# Allegro board SG2042_EVB_V1_1.brd (continued)
## Routing (per net, layer and track width the routed paths; a pad name or vN(x,y) marks a point on that pad's centre or on a via; arc(x,y) is an arc through that point) (continued)
PCIE1_RXM[15]: length 153.9
  TOP w0.381: v1(28.83,34.09) 28.64,33.9 J1104.A81
  ART10 w0.112: 138.14,76.65 138.14,76.66 138.07,76.74 138.07,81.05 v1(137.47,81.65)
  ART10 w0.147: v1(28.83,34.09) 28.96,34.23 30.35,34.23 44.1,20.48 97.15,20.48 107.54,30.87 107.54,31.91 135.38,59.74 135.38,60.73 138.14,63.5 138.14,76.65
PCIE1_RXP[0]: length 162.7
  TOP w0.381: J1104.A16 28.64,98.9 v1(28.83,98.7)
  ART10 w0.112: 121.8,76.65 121.8,76.67 121.88,76.75 121.88,80.97 121.75,81.1 121.53,81.1 121.42,80.99 121.42,80.7 v1(121.47,80.65)
  ART10 w0.147: v1(28.83,98.7) 28.97,98.57 30.49,98.57 30.86,98.2 arc(31.05,98.12) 31.24,98.2 31.24,98.2 arc(31.42,98.28) 31.61,98.2 31.65,98.16 arc(31.73,97.97) 31.65,97.78 arc(31.58,97.6) 31.65,97.41 49.4,79.66 49.4,43.95 54.13,39.23 61.2,39.23 63.1,41.13 66.21,41.13 66.91,41.83 89.28,41.83 115.45,68 115.45,68.99 121.8,75.34 121.8,76.65
PCIE1_RXP[1]: length 159.1
  TOP w0.381: J1104.A21 28.64,93.9 v1(28.83,93.7)
  ART10 w0.112: v1(122.47,78.65) 122.42,78.7 122.42,78.99 122.53,79.1 122.75,79.1 122.88,78.97 122.88,76.75 122.8,76.67 122.8,76.65
  ART10 w0.147: v1(28.83,93.7) 28.97,93.57 30.49,93.57 30.86,93.2 arc(31.05,93.12) 31.24,93.2 31.24,93.2 arc(31.42,93.28) 31.61,93.2 31.65,93.16 arc(31.73,92.97) 31.65,92.78 arc(31.58,92.6) 31.65,92.41 48.18,75.89 48.18,43.45 53.62,38 61.93,38 63.09,39.17 65.98,39.17 67.17,40.35 89.54,40.35 116.68,67.5 116.68,68.48 122.8,74.6 122.8,76.65
PCIE1_RXP[2]: length 160.6
  TOP w0.381: J1104.A25 28.64,89.9 v1(28.83,89.7)
  ART10 w0.112: 123.8,76.65 123.8,76.67 123.88,76.75 123.88,80.97 123.75,81.1 123.53,81.1 123.42,80.99 123.42,80.7 v1(123.47,80.65)
  ART10 w0.147: 123.8,76.65 123.8,73.87 117.9,67.97 117.9,66.99 90.04,39.13 67.68,39.13 65.32,36.77 53.11,36.77 46.95,42.94 46.95,73.11 31.65,88.41 arc(31.58,88.6) 31.65,88.78 arc(31.73,88.97) 31.65,89.16 31.61,89.2 arc(31.42,89.28) 31.24,89.2 31.24,89.2 arc(31.05,89.12) 30.86,89.2 30.49,89.57 28.97,89.57 v1(28.83,89.7)
PCIE1_RXP[3]: length 158.1
  TOP w0.381: J1104.A29 28.64,85.9 v1(28.83,85.7)
  ART10 w0.112: v1(124.47,78.65) 124.42,78.7 124.42,78.99 124.53,79.1 124.75,79.1 124.88,78.97 124.88,76.75 124.8,76.67 124.8,76.65
  ART10 w0.147: 124.8,76.65 124.8,73.13 119.13,67.46 119.13,66.48 88.2,35.55 52.6,35.55 45.72,42.43 45.72,70.34 31.65,84.41 arc(31.58,84.6) 31.65,84.78 arc(31.73,84.97) 31.65,85.16 31.61,85.2 arc(31.42,85.28) 31.24,85.2 31.24,85.2 arc(31.05,85.12) 30.86,85.2 30.49,85.57 28.97,85.57 v1(28.83,85.7)
PCIE1_RXP[4]: length 157.5
  TOP w0.381: v1(28.83,79.7) 28.64,79.9 J1104.A35
  ART10 w0.112: v1(125.47,80.65) 125.42,80.7 125.42,80.99 125.53,81.1 125.75,81.1 125.88,80.97 125.88,76.75 125.8,76.67 125.8,76.65
  ART10 w0.147: v1(28.83,79.7) 28.97,79.57 30.49,79.57 30.86,79.2 arc(31.05,79.12) 31.24,79.2 31.24,79.2 arc(31.42,79.28) 31.61,79.2 31.65,79.16 arc(31.73,78.97) 31.65,78.78 arc(31.58,78.6) 31.65,78.41 44.5,65.57 44.5,41.92 52.1,34.32 88.71,34.32 120.36,65.97 120.36,66.96 125.8,72.4 125.8,76.65
PCIE1_RXP[5]: length 155
  TOP w0.381: J1104.A39 28.64,75.9 v1(28.83,75.7)
  ART10 w0.112: v1(126.47,78.65) 126.42,78.7 126.42,78.99 126.53,79.1 126.75,79.1 126.88,78.97 126.88,76.75 126.8,76.67 126.8,76.65
  ART10 w0.147: 126.8,76.65 126.8,71.66 121.59,66.45 121.59,65.46 89.22,33.09 51.59,33.09 43.27,41.41 43.27,62.79 31.65,74.41 arc(31.58,74.6) 31.65,74.78 arc(31.73,74.97) 31.65,75.16 31.61,75.2 arc(31.42,75.28) 31.24,75.2 31.24,75.2 arc(31.05,75.12) 30.86,75.2 30.49,75.57 28.97,75.57 v1(28.83,75.7)
PCIE1_RXP[6]: length 156.5
  TOP w0.381: v1(28.83,71.7) 28.64,71.9 J1104.A43
  ART10 w0.112: v1(127.47,80.65) 127.42,80.7 127.42,80.99 127.53,81.1 127.75,81.1 127.88,80.97 127.88,76.75 127.8,76.67 127.8,76.65
  ART10 w0.147: 127.8,76.65 127.8,70.93 122.81,65.94 122.81,64.95 89.73,31.87 51.08,31.87 42.04,40.9 42.04,60.02 31.65,70.41 arc(31.58,70.6) 31.65,70.78 31.65,70.78 arc(31.73,70.97) 31.65,71.16 31.61,71.2 arc(31.42,71.28) 31.24,71.2 31.24,71.2 arc(31.05,71.12) 30.86,71.2 30.49,71.57 28.97,71.57 v1(28.83,71.7)
PCIE1_RXP[7]: length 153.9
  TOP w0.381: J1104.A47 28.64,67.9 v1(28.83,67.7)
  ART10 w0.112: v1(128.47,78.65) 128.42,78.7 128.42,78.99 128.53,79.1 128.75,79.1 128.88,78.97 128.88,76.75 128.8,76.67 128.8,76.65
  ART10 w0.147: v1(28.83,67.7) 28.97,67.57 30.49,67.57 30.86,67.2 arc(31.05,67.12) 31.24,67.2 31.24,67.2 arc(31.42,67.28) 31.61,67.2 31.65,67.16 arc(31.73,66.97) 31.65,66.78 31.65,66.78 arc(31.58,66.6) 31.65,66.41 40.82,57.25 40.82,40.4 50.57,30.64 90.23,30.64 124.04,64.44 124.04,65.43 128.8,70.19 128.8,76.65
PCIE1_RXP[8]: length 154.4
  TOP w0.381: J1104.A52 28.64,62.9 v1(28.83,62.7)
  ART10 w0.112: 130.8,76.65 130.8,76.67 130.88,76.75 130.88,78.97 130.75,79.1 130.53,79.1 130.42,78.99 130.42,78.7 v1(130.47,78.65)
  ART10 w0.147: v1(28.83,62.7) 28.97,62.57 30.49,62.57 30.86,62.2 arc(31.05,62.12) 31.24,62.2 31.24,62.2 arc(31.42,62.28) 31.61,62.2 31.65,62.16 arc(31.73,61.97) 31.65,61.78 31.65,61.78 arc(31.58,61.6) 31.65,61.41 39.59,53.47 39.59,39.89 50.06,29.41 93.45,29.41 98.61,34.57 98.61,35.61 126.45,63.45 126.45,64.43 130.8,68.79 130.8,76.65
PCIE1_RXP[9]: length 155.9
  TOP w0.381: J1104.A56 28.64,58.9 v1(28.83,58.7)
  ART10 w0.112: v1(131.47,80.65) 131.42,80.7 131.42,80.99 131.53,81.1 131.75,81.1 131.88,80.97 131.88,76.75 131.8,76.67 131.8,76.65
  ART10 w0.147: v1(28.83,58.7) 28.97,58.57 30.49,58.57 30.86,58.2 arc(31.05,58.12) 31.24,58.2 31.24,58.2 arc(31.42,58.28) 31.61,58.2 31.65,58.16 arc(31.73,57.97) 31.65,57.78 31.65,57.78 arc(31.58,57.6) 31.65,57.41 38.36,50.7 38.36,39.38 49.55,28.19 93.96,28.19 99.84,34.06 99.84,35.1 127.67,62.94 127.67,63.92 131.8,68.05 131.8,76.65
PCIE1_RXP[10]: length 153.3
  TOP w0.381: J1104.A60 28.64,54.9 v1(28.83,54.7)
  ART10 w0.112: 132.8,76.65 132.8,76.66 132.88,76.74 132.88,78.97 132.75,79.1 132.53,79.1 132.42,78.99 132.42,78.7 v1(132.47,78.65)
  ART10 w0.147: v1(28.83,54.7) 28.97,54.57 30.49,54.57 30.86,54.2 arc(31.05,54.12) 31.24,54.2 31.24,54.2 arc(31.42,54.28) 31.61,54.2 31.65,54.16 arc(31.73,53.97) 31.65,53.78 31.65,53.78 arc(31.58,53.6) 31.65,53.41 37.13,47.93 37.13,38.87 49.05,26.96 94.47,26.96 101.06,33.55 101.06,34.59 128.9,62.43 128.9,63.41 132.8,67.32 132.8,76.65
PCIE1_RXP[11]: length 154.8
  TOP w0.381: J1104.A64 28.64,50.9 v1(28.83,50.7)
  ART10 w0.112: 133.8,76.65 133.8,76.67 133.88,76.75 133.88,80.97 133.75,81.1 133.53,81.1 133.42,80.99 133.42,80.7 v1(133.47,80.65)
  ART10 w0.147: v1(28.83,50.7) 28.97,50.57 30.49,50.57 30.86,50.2 arc(31.05,50.12) 31.24,50.2 31.24,50.2 arc(31.42,50.28) 31.61,50.2 31.65,50.16 arc(31.73,49.97) 31.65,49.78 31.65,49.78 arc(31.58,49.6) 31.65,49.41 35.91,45.16 35.91,38.36 48.54,25.73 94.98,25.73 102.29,33.05 102.29,34.08 130.13,61.92 130.13,62.91 133.8,66.58 133.8,76.65
PCIE1_RXP[12]: length 152.2
  TOP w0.381: J1104.A68 28.64,46.9 v1(28.83,46.7)
  ART10 w0.112: 134.8,76.65 134.8,76.67 134.88,76.75 134.88,78.97 134.75,79.1 134.53,79.1 134.42,78.99 134.42,78.7 v1(134.47,78.65)
  ART10 w0.147: 134.8,76.65 134.8,65.84 131.35,62.4 131.35,61.41 103.52,33.58 103.52,32.54 95.49,24.51 48.03,24.51 34.68,37.85 34.68,42.38 31.65,45.41 arc(31.58,45.6) 31.65,45.78 31.65,45.78 arc(31.73,45.97) 31.65,46.16 31.61,46.2 arc(31.42,46.28) 31.24,46.2 31.24,46.2 arc(31.05,46.12) 30.86,46.2 30.49,46.57 28.97,46.57 v1(28.83,46.7)
PCIE1_RXP[13]: length 153.7
  TOP w0.381: J1104.A72 28.64,42.9 v1(28.83,42.7)
  ART10 w0.112: 135.8,76.65 135.8,76.66 135.88,76.74 135.88,80.97 135.75,81.1 135.53,81.1 135.42,80.99 135.42,80.7 v1(135.47,80.65)
  ART10 w0.147: 135.8,76.65 135.8,65.11 132.58,61.89 132.58,60.9 104.74,33.07 104.74,32.03 96,23.28 47.52,23.28 33.45,37.34 33.45,39.61 31.65,41.41 arc(31.58,41.6) 31.65,41.78 arc(31.73,41.97) 31.65,42.16 31.61,42.2 arc(31.42,42.28) 31.24,42.2 31.24,42.2 arc(31.05,42.12) 30.86,42.2 30.49,42.57 28.97,42.57 v1(28.83,42.7)
PCIE1_RXP[14]: length 151.2
  TOP w0.381: J1104.A76 28.64,38.9 v1(28.83,38.7)
  ART10 w0.112: v1(136.47,78.65) 136.42,78.7 136.42,78.99 136.53,79.1 136.75,79.1 136.88,78.97 136.88,76.75 136.8,76.67 136.8,76.65
  ART10 w0.147: 136.8,76.65 136.8,64.37 133.81,61.38 133.81,60.4 105.97,32.56 105.97,31.52 96.5,22.05 47.01,22.05 31.65,37.41 arc(31.58,37.6) 31.65,37.78 arc(31.73,37.97) 31.65,38.16 31.61,38.2 arc(31.42,38.28) 31.24,38.2 31.24,38.2 arc(31.05,38.12) 30.86,38.2 30.49,38.57 28.97,38.57 v1(28.83,38.7)
PCIE1_RXP[15]: length 154
  TOP w0.381: v1(28.83,34.7) 28.64,34.9 J1104.A80
  ART10 w0.112: v1(137.47,80.65) 137.42,80.7 137.42,80.99 137.53,81.1 137.75,81.1 137.88,80.97 137.88,76.75 137.8,76.67 137.8,76.65
  ART10 w0.147: v1(28.83,34.7) 28.97,34.57 30.49,34.57 30.86,34.2 arc(31.05,34.12) 31.24,34.2 31.24,34.2 arc(31.42,34.28) 31.61,34.2 31.65,34.16 arc(31.73,33.97) 31.65,33.78 arc(31.58,33.6) 31.65,33.41 44.24,20.83 97.01,20.83 107.2,31.01 107.2,32.05 135.03,59.89 135.03,60.87 137.8,63.64 137.8,76.65
PCIE1_TXM[0]: length 2.2
  TOP w0.152: J1104.B15 20.08,100.09 C384.2
PCIE1_TXM[0]_L: length 180.1
  TOP w0.254: 17.12,100.09 C384.1
  ART03 w0.112: U1.BH12 121.47,86.51 121.36,86.4 121.1,86.4 120.88,86.17 120.88,76.75 120.8,76.67 120.8,76.65
  ART03 w0.147: 17.12,100.09 16.98,100.23 16.61,100.23 16.4,100.01 16.4,98.45 16.78,98.07 17.47,98.07 arc(17.65,98.15) 17.72,98.33 17.72,98.86 arc(18.02,99.15) 18.31,98.86 18.31,98.37 arc(18.4,98.16) 18.61,98.07 22.95,98.07 24.95,96.07 29.3,96.07 49.4,75.97 49.4,43.95 54.13,39.23 61.2,39.23 63.1,41.13 66.21,41.13 66.91,41.83 89.28,41.83 115.45,68 115.45,68.99 120.8,74.34 120.8,76.65
PCIE1_TXM[1]: length 2.2
  TOP w0.152: C388.2 20.08,95.09 J1104.B20
PCIE1_TXM[1]_L: length 176.6
  TOP w0.254: 17.12,95.09 C388.1
  ART03 w0.112: U1.BK13 122.47,84.51 122.36,84.4 122.1,84.4 121.88,84.17 121.88,76.75 121.8,76.67 121.8,76.65
  ART03 w0.147: 17.12,95.09 16.98,95.23 16.61,95.23 16.4,95.01 16.4,93.95 16.78,93.57 17.47,93.57 arc(17.65,93.65) 17.72,93.83 17.72,94.35 arc(18.02,94.65) 18.31,94.35 18.31,93.87 arc(18.4,93.66) 18.61,93.57 22.95,93.57 24.95,91.57 29.3,91.57 48.18,72.7 48.18,43.45 53.62,38 61.93,38 63.1,39.17 65.99,39.17 67.17,40.35 89.54,40.35 116.68,67.5 116.68,68.48 121.8,73.6 121.8,76.65
PCIE1_TXM[2]: length 2.2
  TOP w0.152: C392.2 20.08,91.09 J1104.B24
PCIE1_TXM[2]_L: length 178
  TOP w0.254: 17.12,91.09 C392.1
  ART03 w0.112: U1.BH14 123.47,86.51 123.36,86.4 123.1,86.4 122.88,86.17 122.88,76.75 122.8,76.67 122.8,76.65
  ART03 w0.147: 17.12,91.09 16.98,91.23 16.61,91.23 16.4,91.01 16.4,89.95 16.78,89.57 17.47,89.57 arc(17.65,89.65) 17.72,89.83 17.72,90.35 arc(18.02,90.65) 18.31,90.35 18.31,89.87 arc(18.4,89.66) 18.61,89.57 22.95,89.57 24.95,87.57 29.3,87.57 46.95,69.92 46.95,42.94 53.11,36.77 65.32,36.77 67.68,39.13 90.04,39.13 117.9,66.99 117.9,67.97 122.8,72.87 122.8,76.65
PCIE1_TXM[3]: length 2.2
  TOP w0.152: C396.2 20.08,87.09 J1104.B28
PCIE1_TXM[3]_L: length 175.5
  TOP w0.254: 17.12,87.09 C396.1
  ART03 w0.112: 123.8,76.65 123.8,76.67 123.88,76.75 123.88,84.17 124.1,84.4 124.36,84.4 124.47,84.51 U1.BK15
  ART03 w0.147: 17.12,87.09 16.98,87.23 16.61,87.23 16.4,87.01 16.4,85.45 16.78,85.07 17.47,85.07 arc(17.65,85.15) 17.72,85.33 17.72,85.86 arc(18.02,86.15) 18.31,85.86 18.31,85.37 arc(18.4,85.16) 18.61,85.07 22.95,85.07 24.95,83.07 29.3,83.07 45.72,66.65 45.72,42.43 52.6,35.55 88.2,35.55 119.13,66.48 119.13,67.46 123.8,72.13 123.8,76.65
PCIE1_TXM[4]: length 2.2
  TOP w0.152: J1104.B34 20.08,81.09 C400.2
PCIE1_TXM[4]_L: length 175
  TOP w0.254: 17.12,81.09 C400.1
  ART03 w0.112: U1.BH16 125.47,86.51 125.36,86.4 125.1,86.4 124.88,86.17 124.88,76.75 124.8,76.67 124.8,76.65
  ART03 w0.147: 17.12,81.09 16.98,81.23 16.61,81.23 16.4,81.01 16.4,79.95 16.78,79.57 17.47,79.57 arc(17.65,79.65) 17.72,79.83 17.72,80.35 arc(18.02,80.65) 18.31,80.35 18.31,79.87 arc(18.4,79.66) 18.61,79.57 22.95,79.57 24.95,77.57 29.3,77.57 44.5,62.38 44.5,41.92 52.1,34.32 88.71,34.32 120.36,65.97 120.36,66.96 124.8,71.4 124.8,76.65
PCIE1_TXM[5]: length 2.2
  TOP w0.152: C404.2 20.08,77.09 J1104.B38
PCIE1_TXM[5]_L: length 172.4
  TOP w0.254: 17.12,77.09 C404.1
  ART03 w0.112: 125.8,76.65 125.8,76.67 125.88,76.75 125.88,84.17 126.1,84.4 126.36,84.4 126.47,84.51 U1.BK17
  ART03 w0.147: 125.8,76.65 125.8,70.66 121.59,66.45 121.59,65.46 89.22,33.09 51.59,33.09 43.27,41.41 43.27,59.6 29.3,73.57 24.95,73.57 22.95,75.57 18.61,75.57 arc(18.4,75.66) 18.31,75.87 18.31,76.35 arc(18.02,76.65) 17.72,76.35 17.72,75.83 arc(17.65,75.65) 17.47,75.57 16.78,75.57 16.4,75.95 16.4,77.01 16.61,77.23 16.98,77.23 17.12,77.09
PCIE1_TXM[6]: length 2.2
  TOP w0.152: C408.2 20.08,73.09 J1104.B42
PCIE1_TXM[6]_L: length 173.9
  TOP w0.254: 17.12,73.09 C408.1
  ART03 w0.112: 126.8,76.65 126.8,76.67 126.88,76.75 126.88,86.17 127.1,86.4 127.36,86.4 127.47,86.51 U1.BH18
  ART03 w0.147: 17.12,73.09 16.98,73.23 16.61,73.23 16.4,73.01 16.4,71.95 16.78,71.57 17.47,71.57 arc(17.65,71.65) 17.72,71.83 17.72,72.35 arc(18.02,72.65) 18.31,72.35 18.31,71.87 arc(18.4,71.66) 18.61,71.57 22.95,71.57 24.95,69.57 29.3,69.57 42.04,56.83 42.04,40.9 51.08,31.87 89.73,31.87 122.81,64.95 122.81,65.94 126.8,69.93 126.8,76.65
PCIE1_TXM[7]: length 2.2
  TOP w0.152: J1104.B46 20.08,69.09 C412.2
PCIE1_TXM[7]_L: length 171.4
  TOP w0.254: 17.12,69.09 C412.1
  ART03 w0.112: U1.BK19 128.47,84.51 128.36,84.4 128.1,84.4 127.88,84.17 127.88,76.75 127.8,76.67 127.8,76.65
  ART03 w0.147: 17.12,69.09 16.98,69.23 16.61,69.23 16.4,69.01 16.4,67.45 16.78,67.07 17.47,67.07 arc(17.65,67.15) 17.72,67.33 17.72,67.86 arc(18.02,68.15) 18.31,67.86 18.31,67.37 arc(18.4,67.16) 18.61,67.07 22.95,67.07 24.95,65.07 29.3,65.07 40.82,53.56 40.82,40.4 50.57,30.64 90.23,30.64 124.04,64.44 124.04,65.43 127.8,69.19 127.8,76.65
PCIE1_TXM[8]: length 2.2
  TOP w0.152: J1104.B51 20.08,64.09 C416.2
PCIE1_TXM[8]_L: length 172.5
  TOP w0.254: 17.12,64.09 C416.1
  ART03 w0.112: U1.BK21 130.47,84.51 130.36,84.4 130.1,84.4 129.88,84.17 129.88,76.75 129.8,76.67 129.8,76.65
  ART03 w0.147: 17.12,64.09 16.98,64.23 16.61,64.23 16.4,64.01 16.4,62.95 16.78,62.57 17.47,62.57 arc(17.65,62.65) 17.72,62.83 17.72,63.35 arc(18.02,63.65) 18.31,63.35 18.31,62.87 arc(18.4,62.66) 18.61,62.57 22.95,62.57 24.95,60.57 29.3,60.57 39.59,50.28 39.59,39.89 50.06,29.41 94.55,29.41 98.61,33.48 98.61,35.61 126.45,63.45 126.45,64.43 129.8,67.79 129.8,76.65
PCIE1_TXM[9]: length 2.2
  TOP w0.152: C420.2 20.08,60.09 J1104.B55
PCIE1_TXM[9]_L: length 173.9
  TOP w0.254: 17.12,60.09 C420.1
  ART03 w0.112: U1.BH22 131.47,86.51 131.36,86.4 131.1,86.4 130.88,86.17 130.88,76.75 130.8,76.67 130.8,76.65
  ART03 w0.147: 17.12,60.09 16.98,60.23 16.61,60.23 16.4,60.01 16.4,58.95 16.78,58.57 17.47,58.57 arc(17.65,58.65) 17.72,58.83 17.72,59.35 arc(18.02,59.65) 18.31,59.35 18.31,58.87 arc(18.4,58.66) 18.61,58.57 22.95,58.57 24.95,56.57 29.3,56.57 38.36,47.51 38.36,39.38 49.55,28.19 95.05,28.19 99.84,32.97 99.84,35.1 127.67,62.94 127.67,63.92 130.8,67.05 130.8,76.65
PCIE1_TXM[10]: length 2.2
  TOP w0.152: J1104.B59 20.08,56.09 C424.2
PCIE1_TXM[10]_L: length 171.4
  TOP w0.254: 17.12,56.09 C424.1
  ART03 w0.112: 131.8,76.65 131.8,76.67 131.88,76.75 131.88,84.17 132.1,84.4 132.36,84.4 132.47,84.51 U1.BK23
  ART03 w0.147: 17.12,56.09 16.98,56.23 16.61,56.23 16.4,56.01 16.4,54.95 16.78,54.57 17.47,54.57 arc(17.65,54.65) 17.72,54.83 17.72,55.35 arc(18.02,55.65) 18.31,55.35 18.31,54.87 arc(18.4,54.66) 18.61,54.57 22.95,54.57 24.95,52.57 29.3,52.57 37.13,44.74 37.13,38.87 49.05,26.96 95.56,26.96 101.06,32.46 101.06,34.59 128.9,62.43 128.9,63.41 131.8,66.32 131.8,76.65
PCIE1_TXM[11]: length 2.2
  TOP w0.152: C428.2 20.08,52.09 J1104.B63
PCIE1_TXM[11]_L: length 172.9
  TOP w0.254: 17.12,52.09 C428.1
  ART03 w0.112: 132.8,76.65 132.8,76.67 132.88,76.75 132.88,86.17 133.1,86.4 133.36,86.4 133.47,86.51 U1.BH24
  ART03 w0.147: 17.12,52.09 16.98,52.23 16.61,52.23 16.4,52.01 16.4,50.95 16.78,50.57 17.47,50.57 arc(17.65,50.65) 17.72,50.83 17.72,51.35 arc(18.02,51.65) 18.31,51.35 18.31,50.87 arc(18.4,50.66) 18.61,50.57 22.95,50.57 24.95,48.57 29.3,48.57 35.91,41.96 35.91,38.36 48.54,25.73 96.07,25.73 102.29,31.95 102.29,34.08 130.13,61.92 130.13,62.91 132.8,65.58 132.8,76.65
PCIE1_TXM[12]: length 2.2
  TOP w0.152: C432.2 20.08,48.09 J1104.B67
PCIE1_TXM[12]_L: length 170.3
  TOP w0.254: 17.12,48.09 C432.1
  ART03 w0.112: 133.8,76.65 133.8,76.67 133.88,76.75 133.88,84.17 134.1,84.4 134.36,84.4 134.47,84.51 U1.BK25
  ART03 w0.147: 133.8,76.65 133.8,64.84 131.35,62.4 131.35,61.41 103.52,33.58 103.52,31.44 96.58,24.51 48.03,24.51 34.68,37.85 34.68,39.19 29.3,44.57 24.95,44.57 22.95,46.57 18.61,46.57 arc(18.4,46.66) 18.31,46.87 18.31,47.35 arc(18.02,47.65) 17.72,47.35 17.72,46.83 arc(17.65,46.65) 17.47,46.57 16.78,46.57 16.4,46.95 16.4,48.01 16.61,48.23 16.98,48.23 17.12,48.09
PCIE1_TXM[13]: length 2.2
  TOP w0.152: J1104.B71 20.08,44.09 C436.2
PCIE1_TXM[13]_L: length 172.3
  TOP w0.254: 17.12,44.09 C436.1
  ART03 w0.112: U1.BH26 135.47,86.51 135.36,86.4 135.1,86.4 134.88,86.17 134.88,76.75 134.8,76.67 134.8,76.65
  ART03 w0.147: 17.12,44.09 16.98,44.23 16.61,44.23 16.4,44.01 16.4,42.95 16.78,42.57 17.47,42.57 arc(17.65,42.65) 17.72,42.83 17.72,43.35 arc(18.02,43.65) 18.31,43.35 18.31,42.87 arc(18.4,42.66) 18.61,42.57 22.95,42.57 24.95,40.57 29.3,40.57 46.59,23.28 97.09,23.28 104.74,30.94 104.74,33.07 132.58,60.9 132.58,61.89 134.8,64.11 134.8,76.65
PCIE1_TXM[14]: length 2.2
  TOP w0.152: J1104.B75 20.08,40.09 C440.2
PCIE1_TXM[14]_L: length 171.1
  TOP w0.254: 17.12,40.09 C440.1
  ART03 w0.112: U1.BK27 136.47,84.51 136.36,84.4 136.1,84.4 135.88,84.17 135.88,76.75 135.8,76.67 135.8,76.65
  ART03 w0.147: 135.8,76.65 135.8,63.37 133.81,61.38 133.81,60.4 105.97,32.56 105.97,30.43 97.6,22.05 43.82,22.05 29.3,36.57 24.95,36.57 22.95,38.57 18.61,38.57 arc(18.4,38.66) 18.31,38.87 18.31,39.35 arc(18.02,39.65) 17.72,39.35 17.72,38.83 arc(17.65,38.65) 17.47,38.57 16.78,38.57 16.4,38.95 16.4,40.01 16.61,40.23 16.98,40.23 17.12,40.09
PCIE1_TXM[15]: length 2.2
  TOP w0.152: J1104.B79 20.08,36.09 C444.2
PCIE1_TXM[15]_L: length 174.2
  TOP w0.254: 17.12,36.09 C444.1
  ART03 w0.112: U1.BH28 137.47,86.51 137.36,86.4 137.1,86.4 136.88,86.17 136.88,76.75 136.8,76.67 136.8,76.65
  ART03 w0.147: 136.8,76.65 136.8,62.64 135.03,60.87 135.03,59.89 107.2,32.05 107.2,29.92 98.1,20.83 42.68,20.83 31.43,32.07 25.86,32.07 23.86,34.07 18.61,34.07 arc(18.4,34.16) 18.31,34.37 18.31,34.86 arc(18.02,35.15) 17.72,34.86 17.72,34.33 arc(17.65,34.15) 17.47,34.07 16.78,34.07 16.4,34.45 16.4,36.01 16.61,36.23 16.98,36.23 17.12,36.09
PCIE1_TXP[0]: length 2.2
  TOP w0.152: C381.2 20.08,100.7 J1104.B14
PCIE1_TXP[0]_L: length 180.2
  TOP w0.254: 17.12,100.7 C381.1
  ART03 w0.112: 121.14,76.65 121.14,76.67 121.07,76.75 121.07,86.1 121.18,86.21 121.36,86.21 121.47,86.1 U1.BJ12
  ART03 w0.147: 121.14,76.65 121.14,74.2 115.79,68.85 115.79,67.86 89.42,41.49 67.05,41.49 66.35,40.79 63.24,40.79 61.34,38.88 53.99,38.88 49.06,43.81 49.06,75.83 29.16,95.73 24.8,95.73 22.8,97.73 16.63,97.73 16.05,98.31 16.05,100.15 16.47,100.57 16.98,100.57 17.12,100.7
PCIE1_TXP[1]: length 2.2
  TOP w0.152: J1104.B19 20.08,95.7 C386.2
PCIE1_TXP[1]_L: length 176.6
  TOP w0.254: 17.12,95.7 C386.1
  ART03 w0.112: U1.BL13 122.47,84.1 122.36,84.21 122.18,84.21 122.07,84.1 122.07,76.75 122.14,76.67 122.14,76.65
  ART03 w0.147: 17.12,95.7 16.98,95.57 16.47,95.57 16.05,95.15 16.05,93.81 16.63,93.23 22.8,93.23 24.8,91.23 29.16,91.23 47.83,72.55 47.83,43.3 53.48,37.66 62.07,37.66 63.24,38.83 66.13,38.83 67.31,40.01 89.68,40.01 117.02,67.35 117.02,68.34 122.14,73.46 122.14,76.65
PCIE1_TXP[2]: length 2.2
  TOP w0.152: J1104.B23 20.08,91.7 C390.2
PCIE1_TXP[2]_L: length 178.1
  TOP w0.254: 17.12,91.7 C390.1
  ART03 w0.112: U1.BJ14 123.47,86.1 123.36,86.21 123.18,86.21 123.07,86.1 123.07,76.75 123.14,76.67 123.14,76.65
  ART03 w0.147: 17.12,91.7 16.98,91.57 16.47,91.57 16.05,91.15 16.05,89.81 16.63,89.23 22.8,89.23 24.8,87.23 29.16,87.23 46.61,69.78 46.61,42.8 52.97,36.43 65.47,36.43 67.82,38.78 90.19,38.78 118.25,66.84 118.25,67.83 123.14,72.73 123.14,76.65
PCIE1_TXP[3]: length 2.2
  TOP w0.152: C394.2 20.08,87.7 J1104.B27
PCIE1_TXP[3]_L: length 175.5
  TOP w0.254: 17.12,87.7 C394.1
  ART03 w0.112: U1.BL15 124.47,84.1 124.36,84.21 124.18,84.21 124.07,84.1 124.07,76.75 124.14,76.67 124.14,76.65
  ART03 w0.147: 17.12,87.7 16.98,87.57 16.47,87.57 16.05,87.15 16.05,85.31 16.63,84.73 22.8,84.73 24.8,82.73 29.16,82.73 45.38,66.51 45.38,42.29 52.46,35.2 88.34,35.2 119.47,66.34 119.47,67.32 124.14,71.99 124.14,76.65
PCIE1_TXP[4]: length 2.2
  TOP w0.152: C398.2 20.08,81.7 J1104.B33
PCIE1_TXP[4]_L: length 175
  TOP w0.254: 17.12,81.7 C398.1
  ART03 w0.112: U1.BJ16 125.47,86.1 125.36,86.21 125.18,86.21 125.07,86.1 125.07,76.75 125.14,76.67 125.14,76.65
  ART03 w0.147: 17.12,81.7 16.98,81.57 16.47,81.57 16.05,81.15 16.05,79.81 16.63,79.23 22.8,79.23 24.8,77.23 29.16,77.23 44.15,62.23 44.15,41.78 51.95,33.98 88.85,33.98 120.7,65.83 120.7,66.81 125.14,71.26 125.14,76.65
PCIE1_TXP[5]: length 2.2
  TOP w0.152: J1104.B37 20.08,77.7 C402.2
PCIE1_TXP[5]_L: length 172.5
  TOP w0.254: 17.12,77.7 C402.1
  ART03 w0.112: U1.BL17 126.47,84.1 126.36,84.21 126.18,84.21 126.07,84.1 126.07,76.75 126.14,76.67 126.14,76.65
  ART03 w0.147: 126.14,76.65 126.14,70.52 121.93,66.3 121.93,65.32 89.36,32.75 51.45,32.75 42.93,41.27 42.93,59.46 29.16,73.23 24.8,73.23 22.8,75.23 16.63,75.23 16.05,75.81 16.05,77.15 16.47,77.57 16.98,77.57 17.12,77.7
PCIE1_TXP[6]: length 2.2
  TOP w0.152: J1104.B41 20.08,73.7 C406.2
PCIE1_TXP[6]_L: length 173.9
  TOP w0.254: 17.12,73.7 C406.1
  ART03 w0.112: U1.BJ18 127.47,86.1 127.36,86.21 127.18,86.21 127.07,86.1 127.07,76.75 127.14,76.67 127.14,76.65
  ART03 w0.147: 127.14,76.65 127.14,69.78 123.15,65.8 123.15,64.81 89.87,31.52 50.94,31.52 41.7,40.76 41.7,56.69 29.16,69.23 24.8,69.23 22.8,71.23 16.63,71.23 16.05,71.81 16.05,73.15 16.47,73.57 16.98,73.57 17.12,73.7
PCIE1_TXP[7]: length 2.2
  TOP w0.152: J1104.B45 20.08,69.7 C410.2
PCIE1_TXP[7]_L: length 171.4
  TOP w0.254: 17.12,69.7 C410.1
  ART03 w0.112: U1.BL19 128.47,84.1 128.36,84.21 128.18,84.21 128.07,84.1 128.07,76.75 128.14,76.67 128.14,76.65
  ART03 w0.147: 128.14,76.65 128.14,69.05 124.38,65.29 124.38,64.3 90.38,30.3 50.43,30.3 40.47,40.25 40.47,53.41 29.16,64.73 24.8,64.73 22.8,66.73 16.63,66.73 16.05,67.31 16.05,69.15 16.47,69.57 16.98,69.57 17.12,69.7
PCIE1_TXP[8]: length 2.2
  TOP w0.152: C414.2 20.08,64.7 J1104.B50
PCIE1_TXP[8]_L: length 172.5
  TOP w0.254: 17.12,64.7 C414.1
  ART03 w0.112: U1.BL21 130.47,84.1 130.36,84.21 130.18,84.21 130.07,84.1 130.07,76.75 130.14,76.67 130.14,76.65
  ART03 w0.147: 130.14,76.65 130.14,67.64 126.79,64.29 126.79,63.3 98.95,35.47 98.95,33.34 94.69,29.07 49.92,29.07 39.25,39.74 39.25,50.14 29.16,60.23 24.8,60.23 22.8,62.23 16.63,62.23 16.05,62.81 16.05,64.15 16.47,64.57 16.98,64.57 17.12,64.7
PCIE1_TXP[9]: length 2.2
  TOP w0.152: J1104.B54 20.08,60.7 C418.2
PCIE1_TXP[9]_L: length 174
  TOP w0.254: 17.12,60.7 C418.1
  ART03 w0.112: U1.BJ22 131.47,86.1 131.36,86.21 131.18,86.21 131.07,86.1 131.07,76.75 131.14,76.67 131.14,76.65
  ART03 w0.147: 17.12,60.7 16.98,60.57 16.47,60.57 16.05,60.15 16.05,58.81 16.63,58.23 22.8,58.23 24.8,56.23 29.16,56.23 38.02,47.37 38.02,39.24 49.41,27.84 95.2,27.84 100.18,32.83 100.18,34.96 128.02,62.8 128.02,63.78 131.14,66.91 131.14,76.65
PCIE1_TXP[10]: length 2.2
  TOP w0.152: J1104.B58 20.08,56.7 C422.2
PCIE1_TXP[10]_L: length 171.4
  TOP w0.254: 17.12,56.7 C422.1
  ART03 w0.112: U1.BL23 132.47,84.1 132.36,84.21 132.18,84.21 132.07,84.1 132.07,76.75 132.14,76.67 132.14,76.65
  ART03 w0.147: 17.12,56.7 16.98,56.57 16.47,56.57 16.05,56.15 16.05,54.81 16.63,54.23 22.8,54.23 24.8,52.23 29.16,52.23 36.79,44.6 36.79,38.73 48.9,26.62 95.7,26.62 101.41,32.32 101.41,34.45 129.24,62.29 129.24,63.27 132.14,66.17 132.14,76.65
PCIE1_TXP[11]: length 2.2
  TOP w0.152: C426.2 20.08,52.7 J1104.B62
PCIE1_TXP[11]_L: length 172.9
  TOP w0.254: 17.12,52.7 C426.1
  ART03 w0.112: U1.BJ24 133.47,86.1 133.36,86.21 133.18,86.21 133.07,86.1 133.07,76.75 133.14,76.67 133.14,76.65
  ART03 w0.147: 17.12,52.7 16.98,52.57 16.47,52.57 16.05,52.15 16.05,50.81 16.63,50.23 22.8,50.23 24.8,48.23 29.16,48.23 35.57,41.82 35.57,38.22 48.39,25.39 96.21,25.39 102.63,31.81 102.63,33.94 130.47,61.78 130.47,62.76 133.14,65.44 133.14,76.65
PCIE1_TXP[12]: length 2.2
  TOP w0.152: J1104.B66 20.08,48.7 C430.2
PCIE1_TXP[12]_L: length 170.4
  TOP w0.254: 17.12,48.7 C430.1
  ART03 w0.112: U1.BL25 134.47,84.1 134.36,84.21 134.18,84.21 134.07,84.1 134.07,76.75 134.14,76.67 134.14,76.65
  ART03 w0.147: 134.14,76.65 134.14,64.7 131.7,62.26 131.7,61.27 103.86,33.43 103.86,31.3 96.72,24.16 47.89,24.16 34.34,37.71 34.34,39.05 29.16,44.23 24.8,44.23 22.8,46.23 16.63,46.23 16.05,46.81 16.05,48.15 16.47,48.57 16.98,48.57 17.12,48.7
PCIE1_TXP[13]: length 2.2
  TOP w0.152: J1104.B70 20.08,44.7 C434.2
PCIE1_TXP[13]_L: length 172.4
  TOP w0.254: 17.12,44.7 C434.1
  ART03 w0.112: 135.14,76.65 135.14,76.67 135.07,76.75 135.07,86.1 135.18,86.21 135.36,86.21 135.47,86.1 U1.BJ26